# Altium PCB Controller.PcbDoc (part 1 of 3) (continued)
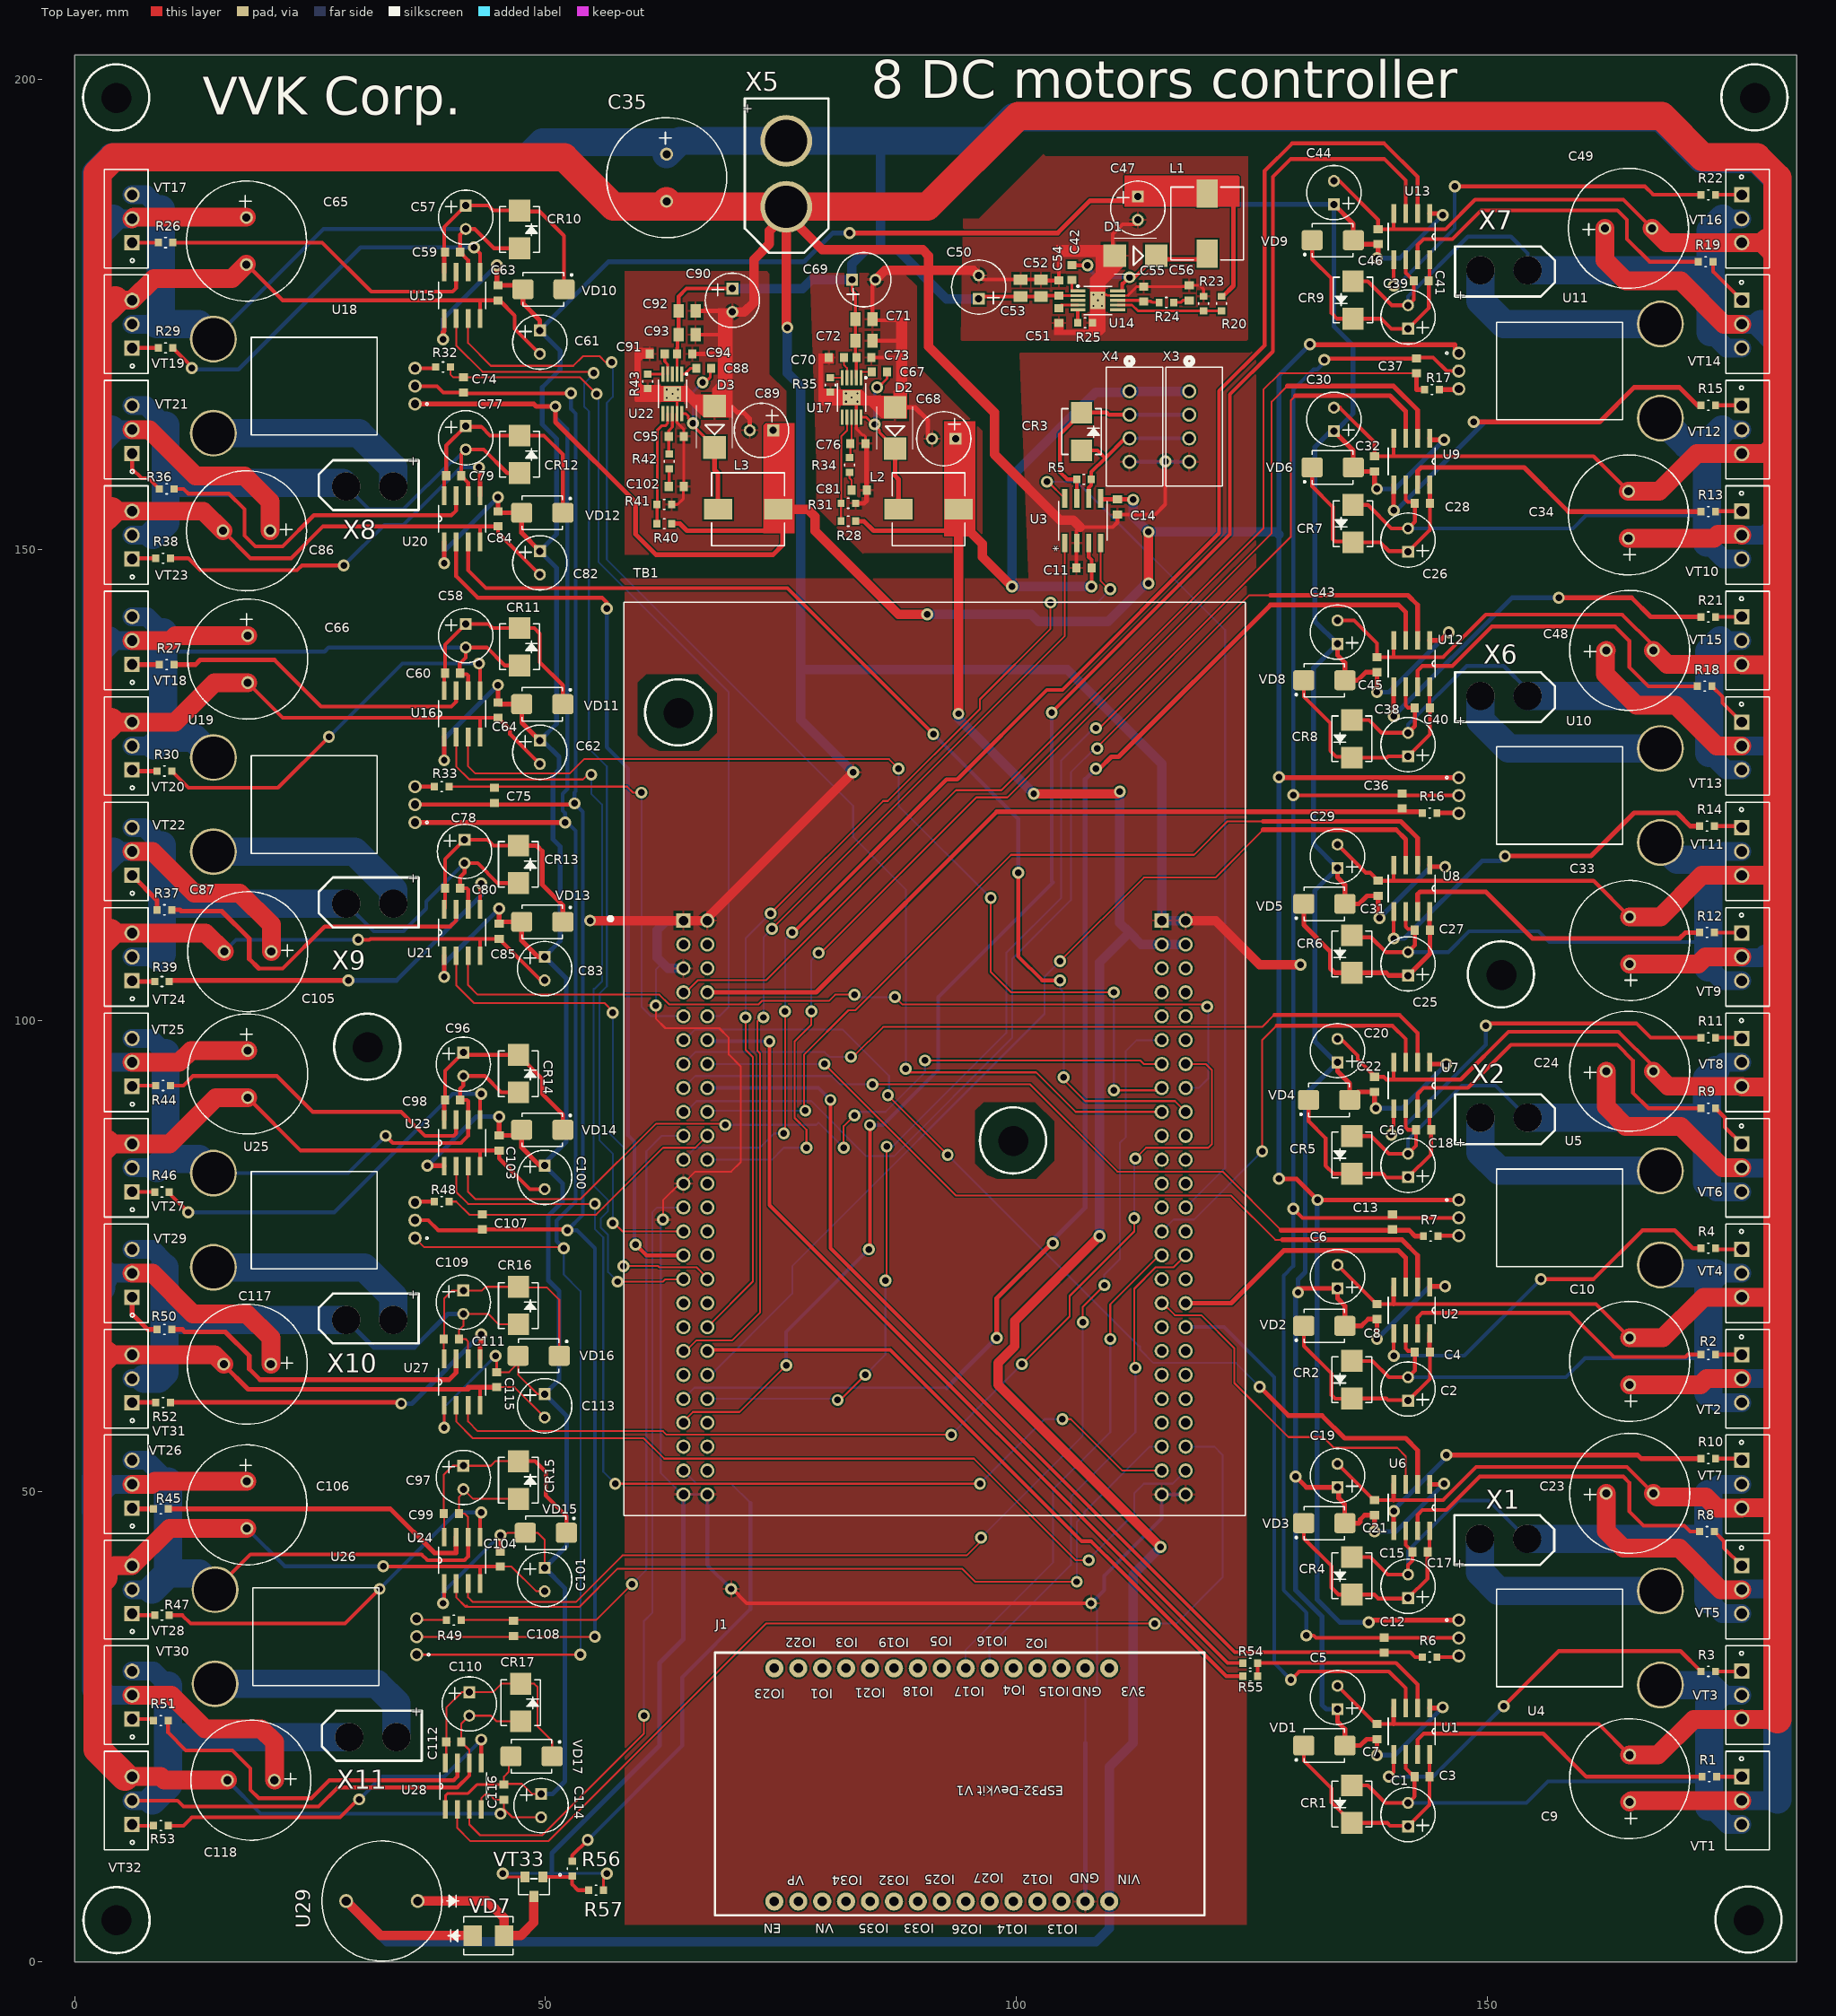
[diagram p0: Top Layer view]
## Components (designator, comment, footprint, x,y, rotation, side; value= is the part's Value field where it differs from the comment) (continued)
U9 "IR2109" SOIC127P600X175-8N 141.986,159.385 r270 top
U10 "ACS758-150B" PFF-5_ALM 146.99,125.805 r270 top
U11 "ACS758-150B" PFF-5_ALM 146.99,170.89 r270 top
U12 "IR2109" SOIC127P600X175-8N 141.986,137.922 r270 top
U13 "IR2109" SOIC127P600X175-8N 141.986,183.261 r270 top
U14 "TPS54140ADGQ" IC_XTR111AIDGQR 108.654,176.495 r0 top
U15 "IR2109" SOIC127P600X175-8N 41.148,177.038 r90 top
U16 "IR2109" SOIC127P600X175-8N 41.148,132.588 r90 top
U17 "TPS54140ADGQ" IC_XTR111AIDGQR 82.515,166.174 r270 top
U18 "ACS758-150B" PFF-5_ALM 36.144,165.486 r90 top
U19 "ACS758-150B" PFF-5_ALM 36.144,121.036 r90 top
U20 "IR2109" SOIC127P600X175-8N 41.148,153.289 r90 top
U21 "IR2109" SOIC127P600X175-8N 41.148,109.347 r90 top
U22 "TPS54140ADGQ" IC_XTR111AIDGQR 63.478,166.566 r270 top
U23 "IR2109" SOIC127P600X175-8N 41.148,86.995 r90 top
U24 "IR2109" SOIC127P600X175-8N 41.148,42.672 r90 top
U25 "ACS758-150B" PFF-5_ALM 36.144,76.887 r90 top
U26 "ACS758-150B" PFF-5_ALM 36.322,32.644 r90 top
U27 "IR2109" SOIC127P600X175-8N 41.148,61.595 r90 top
U28 "IR2109" SOIC127P600X175-8N 41.275,18.669 r90 top
U29 "HCM1205" KXG1205CL 28.829,6.477 r180 top value=Value
VD1 "MURS120T" DIOM5436X247N 132.715,22.987 r0 top value=Value
VD2 "MURS120T" DIOM5436X247N 132.715,67.564 r0 top value=Value
VD3 "MURS120T" DIOM5436X247N 132.715,46.609 r0 top value=Value
VD4 "MURS120T" DIOM5436X247N 133.223,91.567 r0 top value=Value
VD5 "MURS120T" DIOM5436X247N 132.715,112.395 r0 top value=Value
VD6 "MURS120T" DIOM5436X247N 133.604,158.75 r0 top value=Value
VD7 "10BQ040PBF" DIODE_SMB 43.942,2.794 r0 top value=Value
VD8 "MURS120T" DIOM5436X247N 132.715,136.144 r0 top value=Value
VD9 "MURS120T" DIOM5436X247N 133.604,182.88 r0 top value=Value
VD10 "MURS120T" DIOM5436X247N 49.784,177.673 r180 top value=Value
VD11 "MURS120T" DIOM5436X247N 49.657,133.604 r180 top value=Value
VD12 "MURS120T" DIOM5436X247N 49.657,153.924 r180 top value=Value
VD13 "MURS120T" DIOM5436X247N 49.657,110.49 r180 top value=Value
VD14 "MURS120T" DIOM5436X247N 49.657,88.392 r180 top value=Value
VD15 "MURS120T" DIOM5436X247N 50.038,45.593 r180 top value=Value
VD16 "MURS120T" DIOM5436X247N 49.276,64.389 r180 top value=Value
VD17 "MURS120T" DIOM5436X247N 48.514,21.844 r180 top value=Value
VT1 "IRFB3077PBF" PG-TO220-3 178.283,14.605 r270 top value=Value
VT2 "IRFB3077PBF" PG-TO220-3 178.283,59.411 r270 top value=Value
VT3 "IRFB3077PBF" PG-TO220-3 178.283,25.806 r270 top value=Value
VT4 "IRFB3077PBF" PG-TO220-3 178.283,70.612 r270 top value=Value
VT5 "IRFB3077PBF" PG-TO220-3 178.283,37.008 r270 top value=Value
VT6 "IRFB3077PBF" PG-TO220-3 178.283,81.813 r270 top value=Value
VT7 "IRFB3077PBF" PG-TO220-3 178.283,48.209 r270 top value=Value
VT8 "IRFB3077PBF" PG-TO220-3 178.283,93.015 r270 top value=Value
VT9 "IRFB3077PBF" PG-TO220-3 178.283,104.216 r270 top value=Value
VT10 "IRFB3077PBF" PG-TO220-3 178.283,149.022 r270 top value=Value
VT11 "IRFB3077PBF" PG-TO220-3 178.283,115.418 r270 top value=Value
VT12 "IRFB3077PBF" PG-TO220-3 178.283,160.223 r270 top value=Value
VT13 "IRFB3077PBF" PG-TO220-3 178.283,126.619 r270 top value=Value
VT14 "IRFB3077PBF" PG-TO220-3 178.283,171.425 r270 top value=Value
VT15 "IRFB3077PBF" PG-TO220-3 178.283,137.82 r270 top value=Value
VT16 "IRFB3077PBF" PG-TO220-3 178.283,182.626 r270 top value=Value
VT17 "IRFB3077PBF" PG-TO220-3 4.851,187.706 r90 top value=Value
VT18 "IRFB3077PBF" PG-TO220-3 4.851,142.9 r90 top value=Value
VT19 "IRFB3077PBF" PG-TO220-3 4.851,176.505 r90 top value=Value
VT20 "IRFB3077PBF" PG-TO220-3 4.851,131.699 r90 top value=Value
VT21 "IRFB3077PBF" PG-TO220-3 4.851,165.303 r90 top value=Value
VT22 "IRFB3077PBF" PG-TO220-3 4.851,120.498 r90 top value=Value
VT23 "IRFB3077PBF" PG-TO220-3 4.851,154.102 r90 top value=Value
VT24 "IRFB3077PBF" PG-TO220-3 4.851,109.296 r90 top value=Value
VT25 "IRFB3077PBF" PG-TO220-3 4.851,98.095 r90 top value=Value
VT26 "IRFB3077PBF" PG-TO220-3 4.851,53.289 r90 top value=Value
VT27 "IRFB3077PBF" PG-TO220-3 4.851,86.893 r90 top value=Value
VT28 "IRFB3077PBF" PG-TO220-3 4.851,42.088 r90 top value=Value
VT29 "IRFB3077PBF" PG-TO220-3 4.851,75.692 r90 top value=Value
VT30 "IRFB3077PBF" PG-TO220-3 4.851,30.886 r90 top value=Value
VT31 "IRFB3077PBF" PG-TO220-3 4.851,64.491 r90 top value=Value
VT32 "IRFB3077PBF" PG-TO220-3 4.851,19.685 r90 top value=Value
VT33 "2N7002" TO-236AB 48.768,8.001 r180 top value=Value
X1 "XT30" XT30 149.225,44.958 r0 top
X2 "XT30" XT30 149.305,89.662 r0 top
X3 "B4B-XH-A (LF)(SN)" "CONN_B4B-XH-A (L" 118.364,166.838 r270 top value=Value
X4 "B4B-XH-A (LF)(SN)" "CONN_B4B-XH-A (L" 112.014,166.838 r270 top value=Value
X5 "XT-60" XT-60 75.565,193.436 r270 top
X6 "XT30" XT30 149.305,134.493 r0 top
X7 "XT30" XT30 149.305,179.705 r0 top
X8 "XT30" XT30 33.829,156.718 r180 top
X9 "XT30" XT30 33.829,112.395 r180 top
X10 "XT30" XT30 33.829,68.199 r180 top
X11 "XT30" XT30 34.163,23.876 r180 top

## Footprints (in the part's own frame and the unit in brackets; to place one, negate y for a bottom-side part, rotate by r counter-clockwise, add the part's x,y. Pads: shape width x height; smd on the part's side, far side on the other; paste and mask are expansions set on the pad)
0603 [mil]
  rect 34x38 smd paste+0 mask+0: 1(-31.5,0) 2(31.5,0)
  body extent -34,-19 34,19, height 35
CAP_0805J_AVX [mil]
  rect 44x57 smd paste+0 mask+0: 1(-35.5,0) 2(35.5,0)
  body extent -43,-28 44,29, height 37
CAP_UAQ_12P5X20 [mil]
  round 54 hole 34 mask+0: 1(-196.85,0) 2(0,0)
  silkscreen extent -349,-251 153,251, body extent -344,-246 148,246, height 874
"CONN_B4B-XH-A (L" [mil]
  round 59 hole 39 mask+0: 1(0,0) 2(98.43,0) 3(196.86,0) 4(295.29,0)
  silkscreen extent -141,-97 397,139, body extent -94,-90 394,136, height 276
DIODE_SMB [mil]
  rect 77x85 smd: 1(-66,0) 2(66,0)
  silkscreen extent -168,-80 104,80, body extent -98,-75 99,75, height 96
DIOM5436X247N [mm]
  rrect25% 2.25x2.12 smd: 1(-2.185,0) 2(2.185,0)
  silkscreen extent -3.08,-1.78 2.16,1.78, body extent -2.59,-1.65 2.85,1.91, height 2.49
ESP32-DEVKITV1 [mm]
  round 1.93 hole 1: 1(-22.87,-13.54) 2(-20.33,-13.54) 3(-17.79,-13.54) 4(-15.25,-13.54) 5(-12.71,-13.54) 6(-10.17,-13.54) 7(-7.63,-13.54) 8(-5.09,-13.54) 9(-2.55,-13.54) 10(-0.01,-13.54) 11(2.53,-13.54) 12(5.07,-13.54) 13(7.61,-13.54) 14(10.15,-13.54) 15(12.69,-13.54) 16(12.69,11.23) 17(10.15,11.23) 18(7.61,11.23) 19(5.07,11.23) 20(2.53,11.23) 21(-0.01,11.23) 22(-2.55,11.23) 23(-5.09,11.23) 24(-7.63,11.23) 25(-10.17,11.23) 26(-12.71,11.23) 27(-15.25,11.23) 28(-17.79,11.23) 29(-20.33,11.23) 30(-22.87,11.23)
  silkscreen extent -33,-15.2 19,12.7, body extent -32.58,-15.24 18.35,13.26, height 15.6
IC_XTR111AIDGQR [mm]
  rect 1.6x0.3 smd paste-2 mask+0: 1(-2.1,1) 2(-2.1,0.5) 3(-2.1,0) 4(-2.1,-0.5) 5(-2.1,-1) 6(2.1,-1) 7(2.1,-0.5) 8(2.1,0) 9(2.1,0.5) 10(2.1,1)
  rect 1.57x1.88 smd: 11(0,0)
  round 0.4 hole 0.2 mask+0: 12(-0.45,0.6) 13(0.45,0.6) 14(0,0) 15(-0.45,-0.6) 16(0.45,-0.6)
  silkscreen extent -2.2,-1.5 1.5,1.61, body extent -2.45,-1.5 2.45,1.5, height 1.1
IND_EPCOS_B82472G6_EPC [mil]
  rect 118.11x87 smd paste+0 mask+0: 1(-126,0) 2(126,0)
  silkscreen extent -153,-153 153,153, body extent -147,-148 147,148, height 177
KXG1205CL [mil]
  round 58 hole 38 mask+0: 1(-299.21,0) 2(0,0)
  silkscreen extent -470,-251 101,251, body extent -384,-235 224,237, height 380
MODULE_STM32F4DISCOVERY [mm]
  rect 1.508x1.508 hole 1: P1_1(-26.67,14.68) P2_1(24.13,14.68)
  round 1.508 hole 1: P1_2(-24.13,14.68) P1_3(-26.67,12.14) P1_4(-24.13,12.14) P1_5(-26.67,9.6) P1_6(-24.13,9.6) P1_7(-26.67,7.06) P1_8(-24.13,7.06) P1_9(-26.67,4.52) P1_10(-24.13,4.52) P1_11(-26.67,1.98) P1_12(-24.13,1.98) P1_13(-26.67,-0.56) P1_14(-24.13,-0.56) P1_15(-26.67,-3.1) P1_16(-24.13,-3.1) P1_17(-26.67,-5.64) P1_18(-24.13,-5.64) P1_19(-26.67,-8.18) P1_20(-24.13,-8.18) P1_21(-26.67,-10.72) P1_22(-24.13,-10.72) P1_23(-26.67,-13.26) P1_24(-24.13,-13.26) P1_25(-26.67,-15.8) P1_26(-24.13,-15.8) P1_27(-26.67,-18.34) P1_28(-24.13,-18.34) P1_29(-26.67,-20.88) P1_30(-24.13,-20.88) P1_31(-26.67,-23.42) P1_32(-24.13,-23.42) P1_33(-26.67,-25.96) P1_34(-24.13,-25.96) P1_35(-26.67,-28.5) P1_36(-24.13,-28.5) P1_37(-26.67,-31.04) P1_38(-24.13,-31.04) P1_39(-26.67,-33.58) P1_40(-24.13,-33.58) P1_41(-26.67,-36.12) P1_42(-24.13,-36.12) P1_43(-26.67,-38.66) P1_44(-24.13,-38.66) P1_45(-26.67,-41.2) P1_46(-24.13,-41.2) P1_47(-26.67,-43.74) P1_48(-24.13,-43.74) P1_49(-26.67,-46.28) P1_50(-24.13,-46.28) P2_2(26.67,14.68) P2_3(24.13,12.14) P2_4(26.67,12.14) P2_5(24.13,9.6) P2_6(26.67,9.6) P2_7(24.13,7.06) P2_8(26.67,7.06) P2_9(24.13,4.52) P2_10(26.67,4.52) P2_11(24.13,1.98) P2_12(26.67,1.98) P2_13(24.13,-0.56) P2_14(26.67,-0.56) P2_15(24.13,-3.1) P2_16(26.67,-3.1) P2_17(24.13,-5.64) P2_18(26.67,-5.64) P2_19(24.13,-8.18) P2_20(26.67,-8.18) P2_21(24.13,-10.72) P2_22(26.67,-10.72) P2_23(24.13,-13.26) P2_24(26.67,-13.26) P2_25(24.13,-15.8) P2_26(26.67,-15.8) P2_27(24.13,-18.34) P2_28(26.67,-18.34) P2_29(24.13,-20.88) P2_30(26.67,-20.88) P2_31(24.13,-23.42) P2_32(26.67,-23.42) P2_33(24.13,-25.96) P2_34(26.67,-25.96) P2_35(24.13,-28.5) P2_36(26.67,-28.5) P2_37(24.13,-31.04) P2_38(26.67,-31.04) P2_39(24.13,-33.58) P2_40(26.67,-33.58) P2_41(24.13,-36.12) P2_42(26.67,-36.12) P2_43(24.13,-38.66) P2_44(26.67,-38.66) P2_45(24.13,-41.2) P2_46(26.67,-41.2) P2_47(24.13,-43.74) P2_48(26.67,-43.74) P2_49(24.13,-46.28) P2_50(26.67,-46.28)
  silkscreen extent -34.61,-48.5 33,48.5, body extent -32.64,-52.05 32.86,50.52, height 24.5
PCAP_5x11-THRU-E [mil]
  rect 50x50 hole 30: 1(-98,0)
  round 50 hole 30 mask+0: 2(0,0)
  silkscreen extent -162,-114 64,114, body extent -158,-108 60,109, height 490
PFF-5_ALM [mil]
  round 55 hole 35 mask+0: 1(0,0) 2(74.8,0) 3(149.61,0)
  round 196 hole 176 mask+0: 4(271.65,843) 5(-122.05,843)
  silkscreen extent -129,-55 279,684, body extent -201,-21 350,871, height 315
PG-TO220-3 [mil]
  rect 64x64 hole 44: 1(-200,-49)
  round 64 hole 44: 2(-100,-49) 3(0,-49)
  silkscreen extent -306,-116 106,67, body extent -301,-111 101,62, height 878
RC0603N [mm]
  rect 0.756x0.8 smd paste+0 mask+0: 1(-0.778,0) 2(0.778,0)
  silkscreen extent -0.09,-0.53 0.09,0.53, body extent -0.8,-0.4 0.8,0.4, height 0.71
SMB [mm]
  rect 2.4x2.4 smd: A(2.2,0) C(-2.2,0)
  silkscreen extent -2.26,-1.91 2.26,1.91, body extent -2.72,-1.78 2.72,1.78, height 2.49
SMB_STM [mil]
  rect 91x89 smd paste+0 mask+0: 1(-78.5,0) 2(78.5,0)
  silkscreen extent -96,-83 96,83, body extent -110,-78 110,78, height 104
SOIC8-N_MC_MCH [mil]
  rect 78x22 smd paste+0 mask+0: 1(-93,75) 2(-93,25) 3(-93,-25) 4(-93,-75) 5(93,-75) 6(93,-25) 7(93,25) 8(93,75)
  silkscreen extent -82,-102 82,102, body extent -118,-96 118,97, height 69
SOIC127P600X175-8N [mil]
  rect 78x20 smd: 1(-97,75) 2(-97,25) 3(-97,-25) 4(-97,-75) 5(97,-75) 6(97,-25) 7(97,25) 8(97,75)
  silkscreen extent -56,-98 56,98, body extent -118,-96 118,96, height 69
TO-236AB [mil]
  rect 37x46 smd: 1(-37.5,-40.5) 2(37.5,-40.5) 3(0,40.5)
  silkscreen extent -114,-54 64,33, body extent -59,-49 59,49, height 42
XT30 [mm]
  round 3 hole 3: 1(0,0) 2(5,0)
  silkscreen extent -2.7,-2.8 7.9,2.5, body extent -2.7,-2.7 7.7,2.6, height 12.6
XT-60 [mm]
  round 5.5 hole 4.5: 1(0,0) 2(7,0)
  silkscreen extent -4.5,-4.4 11.9,4.5, body extent -4.25,-4.05 11.65,4.1, height 16.4

## Part data
C1 C2 C5 C6 C15 C16 C19 C20 C25 C26 C29 C30 C38 C39 C43 C44 C47 C50 C57 C58 C61 C62 C68 C69 C77 C78 C82 C83 C89 C90 C96 C97 C100 C101 C109 C110 C113 C114: library part UPS1C470MDD, "No Description Available", Built_By=EMA_UL_Team, Copyright="Copyright (C) 2018 Accelerated Designs. All rights reserved", Manufacturer_Part_Number=UPS1C470MDD, RefDes=RefDes, Type=DEV, Vendor=Nichicon
C3 C4 C7 C8 C11 C12 C13 C14 C17 C18 C21 C22 C27 C28 C31 C32 C36 C37 C40 C41 C42 C45 C46 C51 C54 C55 C56 C59 C60 C63 C64 C67 C70 C73 C74 C75 C76 C79 C80 C81 C84 C85 C88 C91 C94 C95 C98 C99 C102 C103 C104 C107 C108 C111 C112 C115 C116: library part 0603ZC224JAT2A, "No Description Available", Built_By=EMA_UL_Team, Copyright="Copyright (C) 2018 Accelerated Designs. All rights reserved", Manufacturer_Part_Number=0603ZC224JAT2A, RefDes=RefDes, Type=DEV, Vendor="AVX Corporation"
C9 C10 C23 C24 C33 C34 C35 C48 C49 C65 C66 C86 C87 C105 C106 C117 C118: library part UVR1H471MHD1TO, "No Description Available", Built_By=EMA_Cory, Copyright="Copyright (C) 2018 Accelerated Designs. All rights reserved", Manufacturer_Part_Number=UVR1H471MHD1TO, RefDes=RefDes, Type=DEV, Vendor=Nichicon
C52 C53 C71 C72 C92 C93: library part 08051A102JAT2A, "No Description Available", Built_By=EMA_UL_Team, Copyright="Copyright (C) 2018 Accelerated Designs. All rights reserved", Manufacturer_Part_Number=08051A102JAT2A, RefDes=RefDes, SourceLibrary=AVX_2016-12-14_2, Type=DEV, Vendor="AVX Corporation"
CR1 CR2 CR3 CR4 CR5 CR6 CR7 CR8 CR9 CR10 CR11 CR12 CR13 CR14 CR15 CR16 CR17 L1 L2 L3 U3 U29 VD1 VD2 VD3 VD4 VD5 VD6 VD8 VD9 VD10 VD11 VD12 VD13 VD14 VD15 VD16 VD17 VT1 VT2 VT3 VT4 VT5 VT6 VT7 VT8 VT9 VT10 VT11 VT12 VT13 VT14 VT15 VT16 VT17 VT18 VT19 VT20 VT21 VT22 VT23 VT24 VT25 VT26 VT27 VT28 VT29 VT30 VT31 VT32: "No Description Available", Copyright="Copyright (C) 2018 Accelerated Designs. All rights reserved", RefDes=RefDes, Type=DEV
  CR1 CR2 CR4 CR5 CR6 CR7 CR8 CR9 CR10 CR11 CR12 CR13 CR14 CR15 CR16 CR17: Built_By=EMA_UL_Team, Manufacturer_Part_Number=SM6T15A, SourceLibrary=Update_to_database_2020-12-07, Vendor=STMicroelectronics
  CR3: Built_By=EMA_UL_Team, Manufacturer_Part_Number=SM6T18CA, SourceLibrary=StMicro_2011-06-07, Vendor=STMicroelectronics
  L1 L2 L3: Built_By=EMA_UL_Team, Manufacturer_Part_Number=B82472G6103M000, SourceLibrary=Epcos_2010-01-01_Inductors, Vendor=Epcos
  U3: Built_By=EMA_Jessica, Manufacturer_Part_Number=MCP2562, SourceLibrary=Microchip_2019-08-23_14, Vendor=Microchip
  U29: Built_By=EMA_Cory, Manufacturer_Part_Number=HCM1205, Vendor="Kingstate Electronics"
  VD1 VD2 VD3 VD4 VD5 VD6 VD8 VD9 VD10 VD11 VD12 VD13 VD14 VD15 VD16 VD17: Built_By=EMA_UL_Team, Manufacturer_Part_Number=MURS120T, Vendor=Vishay
  VT1 VT2 VT3 VT4 VT5 VT6 VT7 VT8 VT9 VT10 VT11 VT12 VT13 VT14 VT15 VT16 VT17 VT18 VT19 VT20 VT21 VT22 VT23 VT24 VT25 VT26 VT27 VT28 VT29 VT30 VT31 VT32: Built_By=EMA_UL_Team, Manufacturer_Part_Number=IRFB3077PBF, Vendor=Infineon
D1 D2 D3: "Diode Schottky 60V 2A Surface Mount SMB", Package="SMB-2 ON Semiconductor", Check_prices=https://www.snapeda.com/parts/MBRS260T3G/ON%20Semiconductor/view-part/356560/?ref=eda, Digi-Key_Part_Number=MBRS260T3GOSCT-ND, MF="ON Semiconductor", MP=MBRS260T3G, Purchase-URL=https://pricing.snapeda.com/search/part/MBRS260T3G/?ref=eda, SnapEDA_Link=https://www.snapeda.com/parts/MBRS260T3G/ON%20Semiconductor/view-part/356560/?ref=snap
J1: "Dual core, Wi-Fi: 2.4 GHz up to 150 Mbits/s,BLE (Bluetooth Low Energy) and legacy Bluetooth, 32 bits, Up to 240 MHz", Package=Package, Availability=Unavailable, Check_prices=https://www.snapeda.com/parts/ESP32%20DEVKIT%20V1/Do%20it/view-part/5659245/?ref=eda, MF="Do it", MP="ESP32 DEVKIT V1", Price=None, SnapEDA_Link=https://www.snapeda.com/parts/ESP32%20DEVKIT%20V1/Do%20it/view-part/5659245/?ref=snap
R1 R2 R3 R4 R5 R6 R7 R8 R9 R10 R11 R12 R13 R14 R15 R16 R17 R18 R19 R20 R21 R22 R23 R24 R25 R26 R27 R28 R29 R30 R31 R32 R33 R34 R35 R36 R37 R38 R39 R40 R41 R42 R43 R44 R45 R46 R47 R48 R49 R50 R51 R52 R53 R54 R55 R56 R57: library part ERA-3AEB101V, "No Description Available", Built_By=EMA_UL_Team, Copyright="Copyright (C) 2018 Accelerated Designs. All rights reserved", Manufacturer_Part_Number=ERA-3AEB101V, RefDes=RefDes, Type=DEV, Vendor=Panasonic
TB1: "STM32F407VGT6 Discovery STM32F4 ARMA® CortexA®-M4 MCU 32-Bit Embedded Evaluation Board", Package=None, Availability=Unavailable, MF=STMicroelectronics, MP=STM32F4DISCOVERY, Price=None, SnapEDA_Link=https://www.snapeda.com/parts/STM32F4DISCOVERY/STMicroelectronics/view-part/46335/?ref=snap
U1 U2 U6 U7 U8 U9 U12 U13 U15 U16 U20 U21 U23 U24 U27 U28: "Floating channel designed for bootstrap operation", Package="SOIC-8 Infineon", Availability=Good, Check_prices=https://www.snapeda.com/parts/IRS2186STRPBF/Infineon%20Technologies/view-part/563209/?ref=eda, MF=Infineon, MP=IR2109, Price=None, Purchase-URL=https://pricing.snapeda.com/search/part/IRS2186STRPBF/?ref=eda, SnapEDA_Link=https://www.snapeda.com/parts/IRS2186STRPBF/Infineon%20Technologies/view-part/563209/?ref=snap
U4 U5 U10 U11 U18 U19 U25 U26: library part ACS756SCA-050B-PFF-T, "No Description Available", Built_By=EMA_UL_Team, Copyright="Copyright (C) 2018 Accelerated Designs. All rights reserved", Manufacturer_Part_Number=ACS756SCA-050B-PFF-T, RefDes=RefDes, SourceLibrary=Allegro_2012-01-01, Type=DEV, Vendor="Allegro Microsystems Inc."
U14 U17 U22: "3.5V to 42V Input, 1.5A Step-Down Converter with Eco-Mode 10-HVSSOP -40 to 125", Package="HVSSOP-10 Texas Instruments", Availability=Good, Check_prices=https://www.snapeda.com/parts/TPS54140ADGQ/Texas%20Instruments/view-part/1101421/?ref=eda, MF="Texas Instruments", MP=TPS54140ADGQ, Price=None, Purchase-URL=https://pricing.snapeda.com/search/part/TPS54140ADGQ/?ref=eda, SnapEDA_Link=https://www.snapeda.com/parts/TPS54140ADGQ/Texas%20Instruments/view-part/1101421/?ref=snap
VD7: library part VS-10BQ040PBF, "No Description Available", Built_By=EMA_UL_Team, Copyright="Copyright (C) 2018 Accelerated Designs. All rights reserved", Manufacturer_Part_Number=VS-10BQ040PBF, RefDes=RefDes, Type=DEV, Vendor=Vishay
VT33: library part 2N7002,215, "No Description Available", Copyright="Copyright (C) 2016 Accelerated Designs. All rights reserved", Manufacturer_Part_Number=2N7002,215, RefDes=RefDes, Type=DEV, Vendor=Nexperia
X3 X4: library part "B4B-XH-A (LF)(SN", "No Description Available", Built_By=EMA_Cory, Copyright="Copyright (C) 2018 Accelerated Designs. All rights reserved", Datasheet=http://www.jst-mfg.com/product/pdf/eng/eXH.pdf, Manufacturer_Part_Number="B4B-XH-A (LF)(SN)", RefDes=RefDes, Type=DEV, Vendor=JST
X5: library part XT60

## Free pads (board coordinates)
  round 0 hole 3.2 unplated: 3(4.445,4.445) 3(4.445,197.993) 3(31.115,97.155) 3(64.135,132.664) 3(99.695,87.198) 3(151.511,104.851) 3(177.8,4.445) 3(178.435,197.993)

## Via types
v1: diameter 1.27, hole 0.711, Top Layer to Bottom Layer, 198 vias

## Nets (pads, with @x,y where several pads share a name; then routed paths per layer and width w, separated by ;. In a path a pad name is that pad's centre, name@x,y a point inside that pad or via, vN(x,y) a via of type N, cw(c..) or ccw(c..) an arc to the next point about the centre after c; other vN are vias at no path point)
3.3V: C14.2 C89.1 L3.1 R40.1 U3.5 U4.1 U5.1 U10.1 U11.1 U18.1 U19.1 U25.1 U26.1 | length 539.2
  Top Layer w0.2: U25.1@36.144,76.887 37.085,75.946 51.816,75.946 v1(51.943,75.819) ; U26.1@36.322,32.644 v1(53.716,32.644)
  Top Layer w0.4: v1@51.943,121.036 v1(52.075,121.036)
  Top Layer w0.5: U19.1@36.144,121.036 v1@51.943,121.036 ; U18.1@36.144,165.486 48.768,165.481 49.022,165.227 v1(51.054,165.227) 51.054,163.576 59.563,155.067 59.563,151.638 61.722,149.479 74.168,149.479 75.184,150.495 75.184,154.089 74.968,154.305 74.714,154.559 74.714,160.249 74.181,160.782 C89.1@74.181,162.687 ; R40.1@63.402,152.781 64.275,152.781 65.037,152.019 74.435,152.019 74.714,152.298 L3.1@74.714,154.305 ; U3.5@108.966,155.448 109.055,155.359 C14.2@110.744,155.359 112.433,155.359 v1(112.395,155.321) ; v1(127.889,83.185) 129.751,83.185 v1(131.995,80.941) U5.1@146.99,80.941 ; v1@127.889,125.805 U10.1@146.99,125.805 ; v1@131.191,171.779 146.609,171.779 146.609,171.271 U11.1@146.99,170.89 ; v1(137.414,36.068) 137.663,36.317 U4.1@146.99,36.317
  Top Layer w1: L3.1@74.714,154.305 74.968,154.305 77.851,154.305 78.613,153.543 78.613,152.019 87.503,143.129 v1(90.551,143.129) ; v1(114.046,146.431) v1(114.046,151.892)
  Bottom Layer w0.2: v1(51.943,75.819) 51.943,73.025 53.716,71.252 v1(53.716,32.644)
  Bottom Layer w0.4: v1(51.054,165.227) 51.054,164.084 52.324,162.814 52.324,124.587 51.816,124.079 51.816,122.301 52.075,122.042 v1(52.075,121.036) 52.197,121.158 53.213,120.142 53.213,80.772 51.181,78.74 51.181,76.581 v1(51.943,75.819)
  Bottom Layer w0.5: v1(127.889,83.185) v1(127.889,125.857) 127.889,151.638 127.889,168.529 v1(131.191,171.831) ; v1(131.995,80.941) 131.953,80.899 131.953,38.481 134.366,36.068 v1(137.414,36.068)
  Bottom Layer w1: v1(90.551,143.129) 101.6,143.129 102.362,142.367 109.728,142.367 113.792,146.431 v1(114.046,146.431) ; v1(112.395,155.321) 112.395,153.543 v1(114.046,151.892) 127.635,151.892 127.889,151.638
5V: C11.2 C68.1 J1.30 L2.1 R28.1 TB1.P2_3 TB1.P2_4 U3.3 U29.2 VD7.1 X3.1 X4.1 | length 351.7
  Top Layer w0.4: 93.878,153.137 L2.1@93.878,153.67 ; U3.3@107.696,150.724 107.696,149.225 107.988,148.933 C11.2@107.988,148.082 v1(107.988,146.088)
  Top Layer w0.5: R28.1@82.947,153.035 83.82,153.035 84.836,152.019 93.853,152.019 93.878,152.044
  Top Layer w1: U29.2@28.829,6.477 32.512,2.794 VD7.1@42.266,2.794 ; v1(93.853,132.588) 93.878,132.613 93.878,152.044 93.878,153.137 96.393,150.622 96.393,149.225 v1(99.53,146.088) ; v1(101.854,124.079) 110.744,124.079 v1(110.998,124.333) ; v1(108.839,77.089) 99.822,68.072 99.822,65.405 98.044,63.627 98.044,61.341 v1(115.316,44.069)
  Bottom Layer w1: U29.2@28.829,6.477 33.147,2.159 108.458,2.159 109.865,3.566 J1.30@109.865,6.423 109.865,20.711 112.395,23.241 112.395,41.148 v1(115.316,44.069) ; v1(93.853,132.588) 93.853,132.08 v1(101.854,124.079) ; v1(107.988,146.088) v1(99.53,146.088) 99.53,157.823 108.458,166.751 111.927,166.751 X4.1@112.014,166.838 X3.1@118.364,166.838 ; v1(108.839,77.089) 108.839,106.172 112.014,109.347 ; v1(110.998,124.333) 110.998,110.363 112.014,109.347 ; TB1.P2_4@117.983,108.077 TB1.P2_3@115.443,108.077 113.284,108.077 112.014,109.347
12V: C5.1 C6.1 C7.2 C8.2 C19.1 C20.1 C21.2 C22.2 C29.1 C30.1 C31.2 C32.2 C43.1 C44.1 C45.2 C46.2 C47.1 C61.1 C62.1 C63.2 C64.2 C82.1 C83.1 C84.2 C85.2 C100.1 C101.1 C103.2 C104.2 C113.1 C114.1 C115.2 C116.2 L1.1 R20.1 U1.1 U2.1 U6.1 U7.1 U8.1 U9.1 U12.1 U13.1 U15.1 U16.1 U20.1 U21.1 U23.1 U24.1 U27.1 U28.1 VD1.2 VD2.2 VD3.2 VD4.2 VD5.2 VD6.2 VD8.2 VD9.2 VD10.2 VD11.2 VD12.2 VD13.2 VD14.2 VD15.2 VD16.2 VD17.2 | length 797.5
  Top Layer w0.2: C115.2@44.831,62.649 46.139,62.649 VD16.2@47.091,63.601 ; v1@45.466,45.085 45.974,45.593 VD15.2@47.853,45.593 49.149,45.593 49.911,44.831 C101.1@49.911,41.859 ; VD17.2@46.329,21.844 46.101,21.616 46.101,20.193 45.593,19.685 C116.2@45.593,18.834 45.682,18.923 47.498,18.923 48.565,17.856 C114.1@49.53,17.856 ; VD16.2@47.091,64.389 VD16.2@47.091,63.601 ; C113.1@49.911,60.325 49.149,60.325 47.091,62.383 VD16.2@47.091,63.601
  Top Layer w0.3: v1(39.243,56.769) U27.1@39.243,59.131 ; U28.1@39.37,16.205 39.37,17.653 39.624,17.907 41.783,17.907 42.71,18.834 C116.2@45.593,18.834 ; v1(44.704,64.389) 44.704,64.008 44.831,63.881 C115.2@44.831,62.649
  Top Layer w0.4: v1(39.116,38.1) 39.243,38.227 U24.1@39.243,40.208 ; C104.2@45.212,43.599 v1(45.212,45.339)
  Top Layer w0.5: v1(37.465,84.582) 39.192,84.582 U23.1@39.243,84.531 ; v1(39.116,172.339) 39.116,173.101 39.243,173.228 U15.1@39.243,174.574 ; v1(39.243,104.648) U21.1@39.243,106.883 ; v1(39.243,127.635) U16.1@39.243,130.124 ; v1(39.243,148.59) U20.1@39.243,150.825 ; v1(44.831,180.213) 44.831,178.219 C63.2@44.958,178.092 47.079,178.092 47.498,177.673 VD10.2@47.599,177.673 47.599,176.175 49.403,174.371 C61.1@49.403,173.304 ; v1(44.958,135.636) C64.2@44.958,133.769 45.123,133.604 VD11.2@47.472,133.604 47.498,133.578 47.498,131.648 C62.1@49.403,129.743 ; v1(44.958,155.575) C84.2@44.958,154.089 45.123,153.924 VD12.2@47.472,153.924 47.472,151.791 C82.1@49.403,149.86 ; v1(45.085,89.789) C103.2@45.085,87.795 47.383,87.795 47.472,87.884 47.472,86.513 49.403,84.582 C100.1@49.911,84.582 ; v1(45.085,111.887) C85.2@45.085,110.274 45.301,110.49 VD13.2@47.472,110.49 47.472,108.484 49.2,106.756 C83.1@49.911,106.756 ; v1(82.296,183.642) 104.394,183.642 107.823,187.071 117.602,187.071 118.389,187.858 L1.1@120.269,187.858 122.149,187.858 123.063,186.944 123.063,178.054 121.936,176.927 R20.1@121.793,176.927 ; v1(129.667,51.562) 130.81,50.419 C19.1@134.112,50.419 134.239,50.292 134.239,49.276 134.874,48.641 134.874,46.635 VD3.2@134.9,46.609 136.398,46.609 136.525,46.736 136.525,46.99 136.995,47.46 C21.2@138.049,47.46 v1(138.049,45.72) ; v1(129.921,71.12) 129.921,71.501 129.87,71.552 C6.1@134.112,71.552 134.112,70.485 134.9,69.697 VD2.2@134.9,67.564 136.652,67.564 137.376,68.288 C8.2@138.303,68.288 v1(138.303,66.167) ; C30.1@133.731,162.611 135.789,160.553 VD6.2@135.789,158.75 136.208,158.331 C32.2@138.049,158.331 138.049,156.718 v1(138.303,156.464) ; C44.1@133.731,186.69 135.789,184.632 VD9.2@135.789,182.88 136.208,182.461 C46.2@138.43,182.461 138.43,181.102 v1(138.303,180.975) ; C5.1@134.112,26.848 134.112,25.527 134.9,24.739 VD1.2@134.9,22.987 136.525,22.987 137.211,23.673 C7.2@138.303,23.673 v1(138.303,21.971) ; C20.1@134.112,95.555 134.112,94.615 135.408,93.319 VD4.2@135.408,91.567 136.259,92.418 C22.2@138.049,92.418 138.049,90.805 v1(138.176,90.678) ; C29.1@134.112,116.205 134.112,115.189 134.9,114.401 VD5.2@134.9,112.395 136.398,112.395 137.249,113.246 C31.2@138.43,113.246 138.43,110.998 v1(138.557,110.871) ; C43.1@134.112,140.005 134.112,138.811 134.9,138.023 VD8.2@134.9,136.144 136.271,136.144 137.122,136.995 C45.2@138.303,136.995 v1(138.303,134.874) ; U1.1@143.891,26.975 145.212,26.975 v1(145.288,27.051) ; U6.1@143.891,50.724 145.339,50.724 v1(145.415,50.8) ; U2.1@143.891,71.679 143.967,71.755 v1(145.542,71.755) ; U7.1@143.891,95.555 144.069,95.377 v1(145.669,95.377) ; U8.1@143.891,116.51 144.069,116.332 v1(145.542,116.332) ; U12.1@143.891,140.386 145.085,140.386 v1(145.923,141.224) ; U9.1@143.891,161.849 144.069,161.671 v1(145.415,161.671) ; U13.1@143.891,185.725 145.11,185.725 v1(145.288,185.547)
  Bottom Layer w0.3: v1(39.243,56.769) 39.243,58.928 v1(44.704,64.389)
  Bottom Layer w0.4: v1(39.116,38.1) 39.116,39.243 v1(45.212,45.339)
  Bottom Layer w0.5: v1(37.465,84.582) 42.672,89.789 v1(45.085,89.789) ; v1(39.116,172.339) 39.116,174.498 v1(44.831,180.213) ; v1(39.243,104.648) 39.243,106.045 v1(45.085,111.887) ; v1(39.243,127.635) 39.243,129.921 v1(44.958,135.636) ; v1(39.243,148.59) 39.243,149.86 v1(44.958,155.575) ; C114.1@49.53,17.856 50.749,17.856 52.07,19.177 52.07,39.7 C101.1@49.911,41.859 52.248,44.196 52.248,57.988 C113.1@49.911,60.325 51.435,61.849 51.435,71.247 50.292,72.39 50.292,79.248 51.816,80.772 51.816,82.677 C100.1@49.911,84.582 49.911,84.836 52.197,87.122 52.197,104.47 C83.1@49.911,106.756 49.911,106.807 51.562,108.458 51.562,118.491 50.8,119.253 50.8,125.984 51.435,126.619 51.435,128.016 49.708,129.743 C62.1@49.403,129.743 51.181,131.521 51.181,148.082 C82.1@49.403,149.86 51.181,151.638 51.181,161.798 49.657,163.322 49.657,167.259 51.562,169.164 51.562,171.145 C61.1@49.403,173.304 56.693,180.594 77.47,180.594 80.518,183.642 v1(82.296,183.642) ; C47.1@113.03,187.071 113.411,186.69 C44.1@133.731,186.69 133.731,173.736 135.763,171.704 135.763,164.465 133.909,162.611 C30.1@133.731,162.611 133.401,162.611 131.699,160.909 131.699,142.418 C43.1@134.112,140.005 131.572,137.465 131.572,118.745 C29.1@134.112,116.205 131.699,113.792 131.699,97.79 133.934,95.555 C20.1@134.112,95.555 130.683,92.126 130.683,73.279 129.921,72.517 v1(129.921,71.12) 129.667,70.866 v1(129.667,51.562) 129.667,39.497 132.461,36.703 132.461,27.305 132.918,26.848 C5.1@134.112,26.848 ; v1(138.049,45.72) 140.335,45.72 v1(145.415,50.8) ; v1(138.176,90.678) 140.97,90.678 v1(145.669,95.377) ; v1(138.303,21.971) 140.208,21.971 v1(145.288,27.051) ; v1(138.303,66.167) 143.891,71.755 v1(145.542,71.755) ; v1(138.303,134.874) 139.573,134.874 v1(145.923,141.224) ; v1(138.303,156.464) 140.208,156.464 v1(145.415,161.671) ; v1(138.303,180.975) 140.716,180.975 v1(145.288,185.547) ; v1(138.557,110.871) 144.018,116.332 v1(145.542,116.332)
+Bat: C9.1 C10.1 C23.1 C24.1 C33.1 C34.1 C35.1 C48.1 C49.1 C50.1 C52.2 C53.2 C54.2 C65.1 C66.1 C69.1 C71.2 C72.2 C73.2 C86.1 C87.1 C90.1 C92.2 C93.2 C94.2 C105.1 C106.1 C117.1 C118.1 U14.2 U17.2 U22.2 VT1.2 VT2.2 VT5.2 VT6.2 VT9.2 VT10.2 VT13.2 VT14.2 VT17.2 VT18.2 VT21.2 VT22.2 VT25.2 VT26.2 VT29.2 VT30.2 X5.1 | length 927.1
  Top Layer w0.3: U22.2@63.978,168.666 63.983,168.671 C94.2@63.983,170.815 ; C69.1@82.55,178.689 82.55,177.546 82.918,177.178 C71.2@82.918,174.498 C72.2@82.918,172.212 82.918,170.574 83.058,170.434 83.015,170.391 U17.2@83.015,168.274 ; C54.2@104.526,176.995 U14.2@106.554,176.995
  Top Layer w0.4: C94.2@63.983,170.815 63.983,171.412 64.021,171.45 64.021,172.733 C93.2@64.135,172.847 C92.2@64.135,175.387 64.135,176.911 64.974,177.749 C90.1@69.85,177.749 ; C50.1@96.012,176.657 96.253,176.898 C53.2@100.457,176.898 C52.2@102.616,176.898 102.718,177 C54.2@104.521,177 C54.2@104.526,176.995
  Top Layer w2: VT30.2@6.096,28.346 10.262,28.346 13.843,24.765 19.812,24.765 21.209,23.368 C118.1@21.209,19.304 ; VT26.2@6.096,50.749 8.204,50.749 8.509,51.054 C106.1@18.288,51.054 ; VT29.2@6.096,73.152 8.255,73.152 12.573,68.834 18.288,68.834 20.828,66.294 C117.1@20.828,63.5 ; VT25.2@6.096,95.555 11.1,95.555 12.366,96.821 C105.1@18.375,96.821 ; VT22.2@6.096,117.958 8.28,117.958 12.7,113.538 17.526,113.538 20.875,110.189 C87.1@20.875,107.315 ; VT18.2@6.096,140.36 10.185,140.36 10.715,140.89 C66.1@18.375,140.89 ; VT21.2@6.096,162.763 7.925,162.763 12.827,157.861 18.034,157.861 20.748,155.147 C86.1@20.748,152.019 ; VT17.2@6.096,185.166 6.27,185.34 C65.1@18.248,185.34 ; C49.1@162.513,184.15 162.513,180.768 164.719,178.562 170.561,178.562 175.158,173.965 VT14.2@177.038,173.965 ; C23.1@162.64,49.784 162.64,45.767 164.465,43.942 170.434,43.942 174.828,39.548 VT5.2@177.038,39.548 ; C24.1@162.64,94.615 162.64,90.852 164.719,88.773 170.561,88.773 174.981,84.353 VT6.2@177.038,84.353 ; C48.1@162.64,139.319 162.56,139.239 162.56,136.779 165.862,133.477 170.053,133.477 174.371,129.159 VT13.2@177.038,129.159 ; C34.1@165.013,151.21 174.07,151.21 174.498,151.638 176.962,151.638 VT10.2@177.038,151.562 ; C9.1@165.14,16.971 165.314,17.145 VT1.2@177.038,17.145 ; C10.1@165.14,61.294 172.673,61.294 173.33,61.951 VT2.2@177.038,61.951 ; C33.1@165.14,105.998 172.419,105.998 173.177,106.756 VT9.2@177.038,106.756
  Bottom Layer w1: C90.1@69.85,177.749 77.292,177.749 78.232,178.689 C69.1@82.55,178.689 82.55,180.34 84.074,181.864 85.598,181.864 ; 85.725,193.436 85.598,193.309 85.598,181.864 ; C50.1@96.012,176.657 92.583,176.657 87.376,181.864 85.598,181.864
  Bottom Layer w2: 2.286,49.149 3.886,50.749 3.226,50.749 2.286,51.689 ; 2.896,28.346 VT30.2@6.096,28.346 ; 3.048,73.152 VT29.2@6.096,73.152 ; 3.48,95.555 VT25.2@6.096,95.555 ; 3.581,140.36 VT18.2@6.096,140.36 ; 3.886,162.763 VT21.2@6.096,162.763 ; 4.064,185.166 VT17.2@6.096,185.166 ; 4.089,117.958 VT22.2@6.096,117.958 ; 4.394,50.749 VT26.2@6.096,50.749 ; VT1.2@177.038,17.145 180.721,17.145 180.848,17.272 ; VT5.2@177.038,39.548 177.114,39.624 180.848,39.624 ; VT2.2@177.038,61.951 180.823,61.951 180.848,61.976 ; VT6.2@177.038,84.353 177.063,84.328 180.848,84.328 ; VT9.2@177.038,106.756 177.114,106.68 179.07,106.68 179.451,107.061 180.848,107.061 ; VT13.2@177.038,129.159 180.721,129.159 180.848,129.286 ; VT10.2@177.038,151.562 179.502,151.562 180.848,152.908 ; VT14.2@177.038,173.965 179.095,173.965
  Bottom Layer w3: 2.286,49.149 2.286,28.956 2.896,28.346 ; 2.286,51.689 2.286,71.12 ; 3.048,73.152 3.048,72.644 2.794,72.39 2.794,71.628 2.286,71.12 ; 3.581,140.36 2.286,139.065 ; 3.886,162.763 2.286,161.163 ; 4.064,185.166 2.286,183.388 ; 4.089,117.958 2.286,116.154 ; C35.1@62.865,192.024 64.135,193.294 ; 179.095,173.965 180.848,172.212 ; 180.848,17.272 180.848,39.624 180.848,61.976 180.848,84.328 180.848,107.061 180.848,129.286 180.848,152.908 180.848,172.212 ; 2.286,71.12 2.286,116.154 ; 2.286,116.154 2.286,139.065 ; 2.286,139.065 2.286,161.163 ; 2.286,161.163 2.286,183.388 ; 2.286,183.388 2.286,189.992 3.969,191.675 48.101,191.675 49.72,193.294 64.135,193.294 ; 64.135,193.294 64.277,193.436 X5.1@75.565,193.436 85.725,193.436 97.14,193.436 99.665,195.961 168.402,195.961 172.847,191.516 178.689,191.516 180.848,189.357 180.848,172.212
CAN_RX: TB1.P1_36 U3.4 | length 105.3
  Top Layer w0.2: TB1.P1_36@67.183,67.437 72.009,72.263 72.009,96.139 71.247,96.901 v1(71.247,100.33) ; v1(73.914,111.379) 85.852,123.317 86.36,123.317 96.139,133.096 96.139,134.112 103.632,141.605 v1(103.632,144.399) ; U3.4@108.966,150.724 108.966,146.685 109.855,145.796 v1(109.982,145.796)
  Bottom Layer w0.2: v1(71.247,100.33) 71.247,108.712 v1(73.914,111.379) ; v1(103.632,144.399) 108.585,144.399 v1(109.982,145.796)
CAN_TX: TB1.P1_37 U3.1 | length 105.3
  Top Layer w0.2: TB1.P1_37@64.643,64.897 64.897,64.897 66.04,66.04 69.85,66.04 72.771,68.961 72.771,96.52 72.517,96.774 72.517,99.949 72.898,100.33 v1(73.152,100.33) ; v1(74.041,109.728) 105.156,140.843 U3.1@105.156,150.724
  Bottom Layer w0.2: v1(73.152,100.33) 73.152,108.839 v1(74.041,109.728)
CANH: CR3.1 R5.1 U3.7 X3.2 X4.2 | length 22.9
  Top Layer w0.4: U3.7@106.426,155.448 106.426,157.464 R5.1@106.41,157.48 105.41,157.48 104.648,158.242 104.648,162.268 CR3.1@106.934,164.554 106.972,164.592 109.601,164.592 109.855,164.338 X4.2@112.014,164.338
  Bottom Layer w0.4: X4.2@112.014,164.338 X3.2@118.364,164.338